# KiCad board FrontEnd_5G.kicad_pcb (continued)
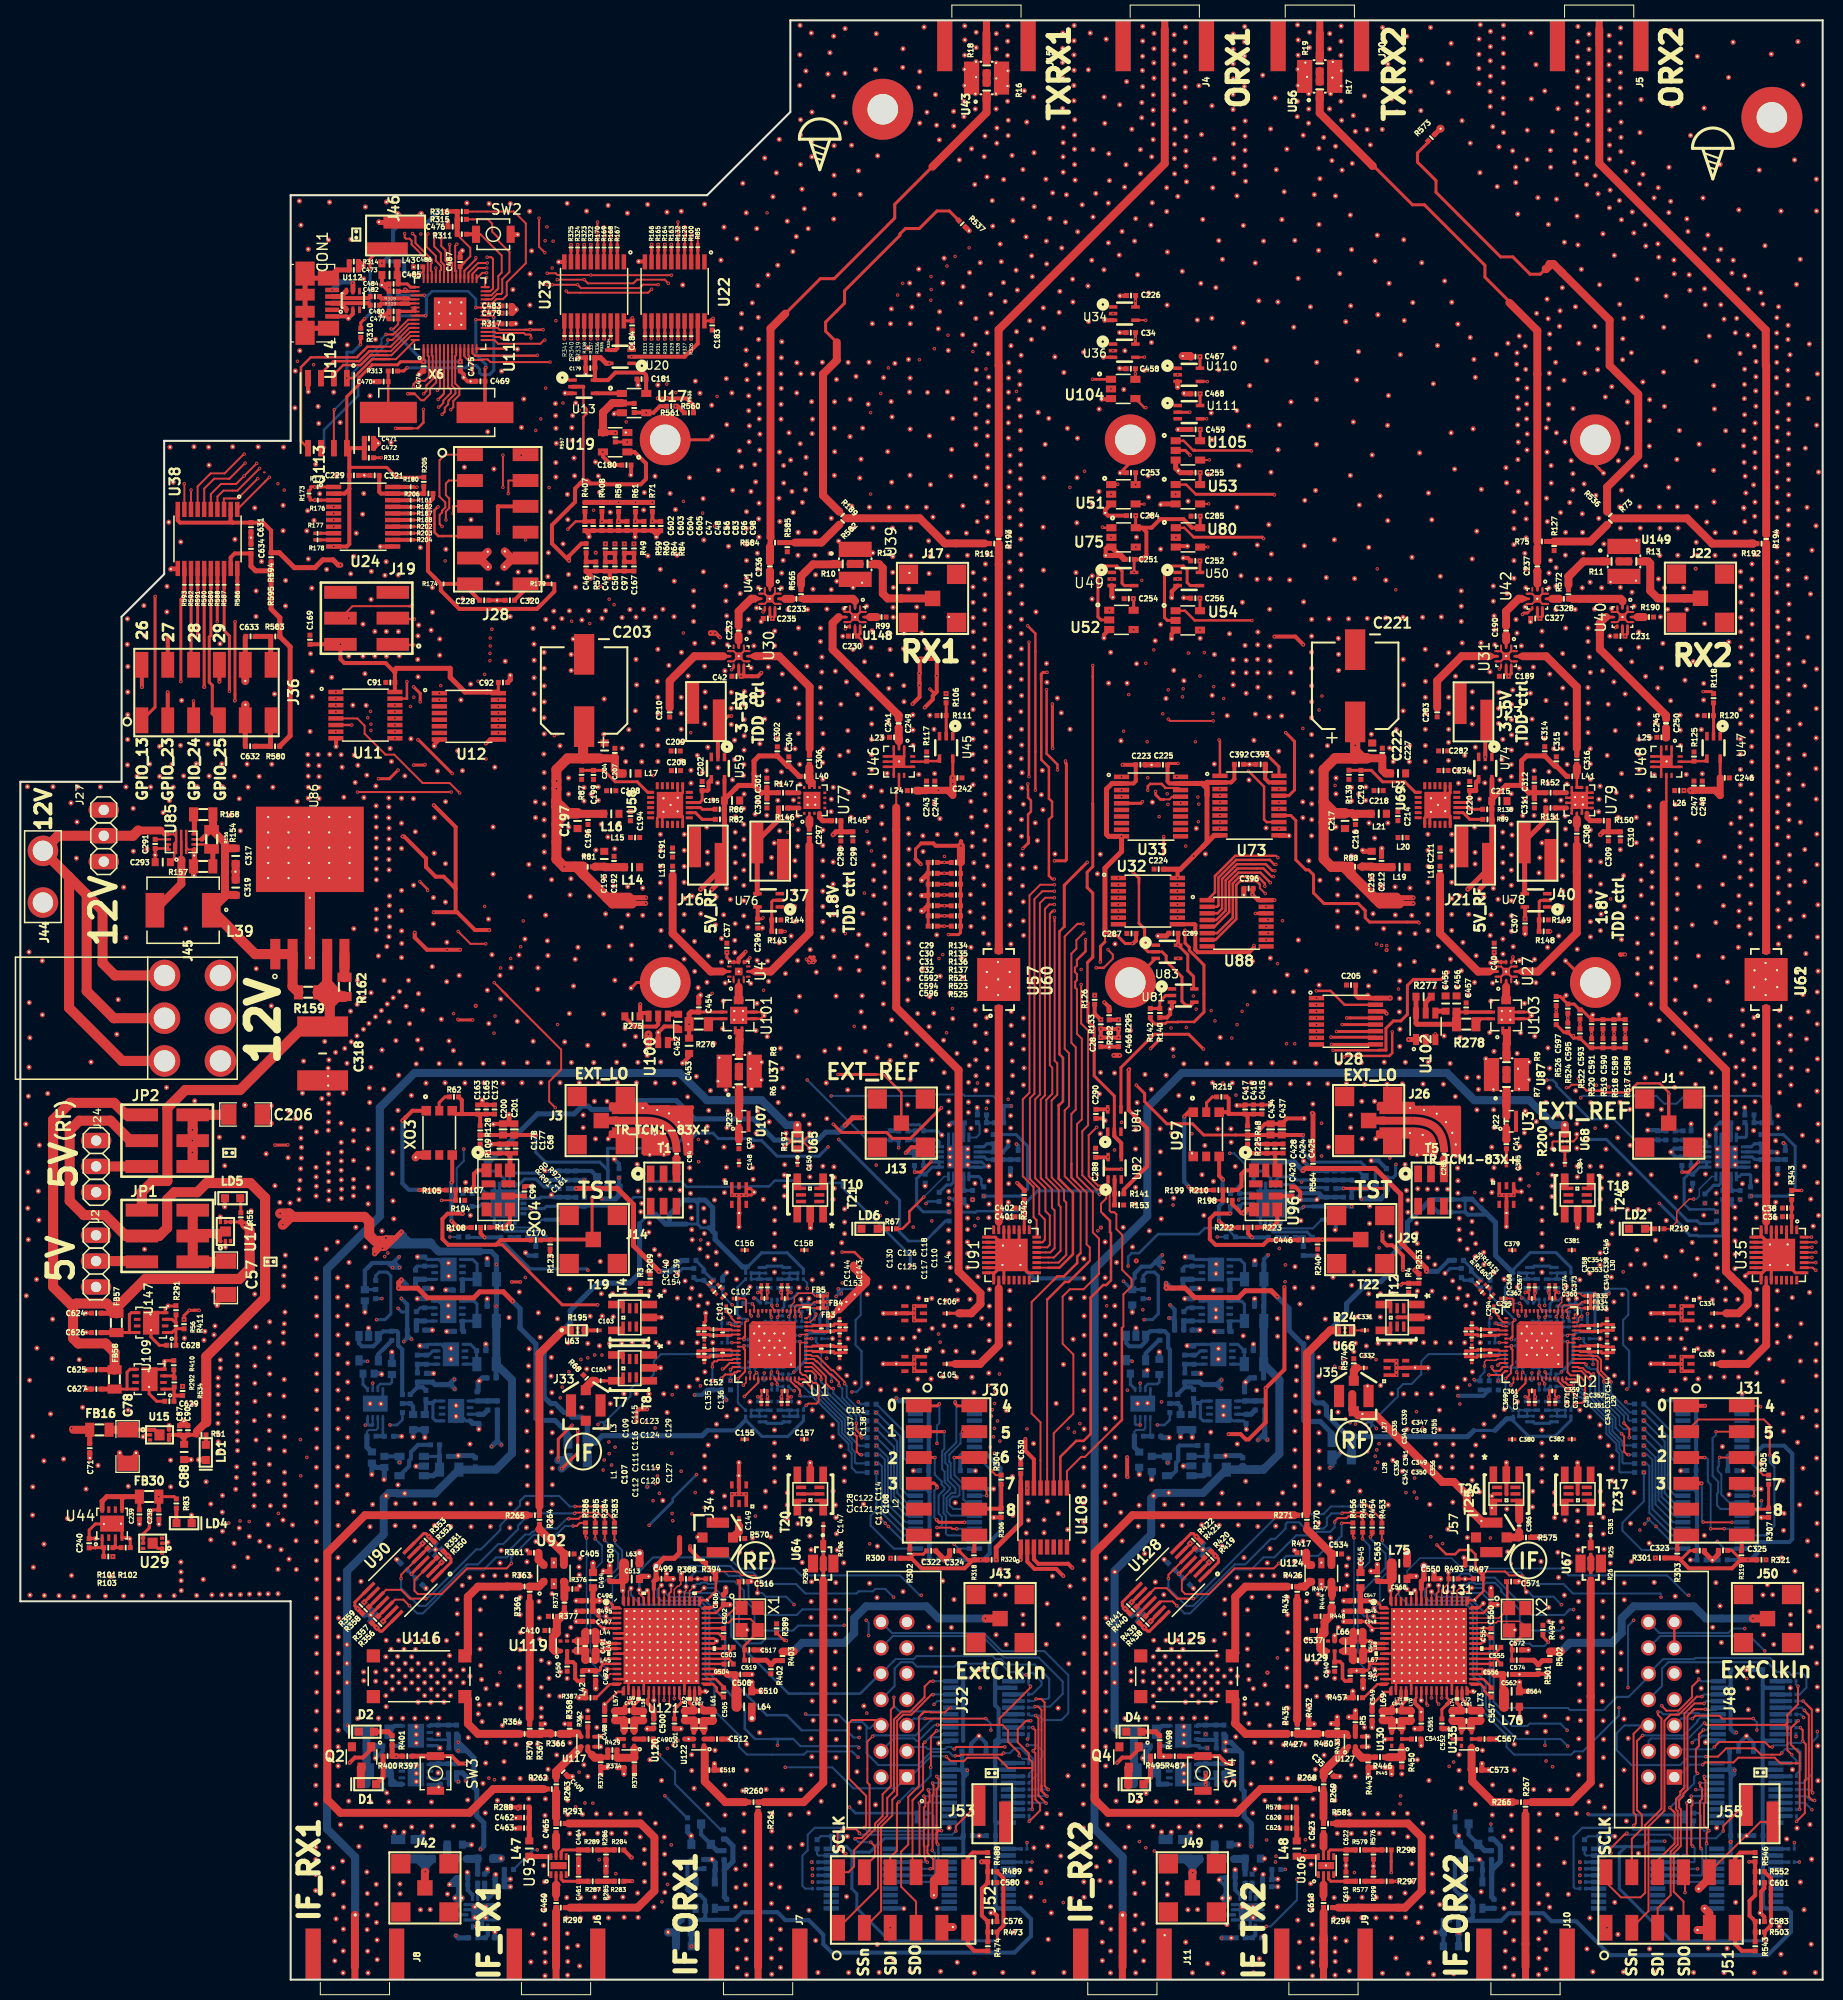
[diagram p0: board, top side]
## Nets (continued)
Net-(C427-Pad1): C427.1 R226.2
Net-(C429-Pad1): C429.1 R229.2 U98.12
Net-(C430-Pad1): C430.1 C435.2 R227.2
Net-(C430-Pad2): C430.2 U98.8
Net-(C431-Pad1): C431.1 U98.4
Net-(C433-Pad1): C433.1 C438.2 R232.1
Net-(C433-Pad2): C433.2 U98.5
Net-(C440-Pad1): C440.1 U99.18
Net-(C440-Pad2): C440.2 R226.1 R233.1
Net-(C450-Pad1): C450.1 L42.2 U119.2
Net-(C451-Pad1): C451.1 FB53.2 U141.5 U141.8
Net-(C452-Pad1): C452.1 U100.4
Net-(C453-Pad2): C453.2 C454.2 R275.2 R276.2 U100.6 U101.7
Net-(C455-Pad1): C455.1 U102.4
Net-(C456-Pad2): C456.2 C457.2 R277.2 R278.2 U102.6 U103.7
Net-(C460-Pad1): C460.1 U93.2
Net-(C461-Pad1): C461.1 R287.2 U93.3
Net-(C462-Pad2): C462.2 C463.2 L47.1 R288.2
Net-(C464-Pad2): C464.2 R289.2 U93.6
Net-(C465-Pad2): C465.2 U93.7
Net-(C470-Pad1): C470.1 R313.2 X6.2
Net-(C473-Pad1): C473.1 CON1.6 R314.1
Net-(C484-Pad2): C484.2 C485.2 L43.2 U115.43
Net-(C488-Pad1): C488.1 FB54.2 U140.5 U140.8
Net-(C489-Pad1): C489.1 FB55.2 U142.5 U142.8
Net-(C490-Pad1): C490.1 U120.2
Net-(C491-Pad1): C491.1 L44.2 U119.4
Net-(C491-Pad2): C491.2 L45.2 U119.3
Net-(C493-Pad1): C493.1 L57.2 U120.4
Net-(C493-Pad2): C493.2 L58.2 U120.3
Net-(C502-Pad1): C502.1 U121.44
Net-(C502-Pad2): C502.2 U121.43
Net-(C503-Pad1): C503.1 U121.40
Net-(C503-Pad2): C503.2 U121.39
Net-(C504-Pad1): C504.1 U121.38
Net-(C504-Pad2): C504.2 U121.37
Net-(C505-Pad1): C505.1 U121.34
Net-(C505-Pad2): C505.2 U121.33
Net-(C507-Pad1): C507.1 L61.1 U122.3
Net-(C507-Pad2): C507.2 L62.1 U122.4
Net-(C508-Pad2): C508.2 C510.2 L64.2 Ref**#87. Ref**#88. U121.35 U121.36 U121.41 U121.42
Net-(C509-Pad2): C509.2 C513.2 L63.2 Ref**#274. Ref**#275. Ref**#276. Ref**#277. U121.48 U121.55 U121.59 U121.64
Net-(C511-Pad1): C511.1 R393.2 R395.1
Net-(C511-Pad2): C511.2 C514.1 R396.1
Net-(C512-Pad2): C512.2 U122.2
Net-(C514-Pad2): C514.2 IC1.2
Net-(C515-Pad2): C515.2 IC1.3
Net-(C516-Pad1): C516.1 U121.46 X1.1
Net-(C517-Pad1): C517.1 C519.2 U121.45 X1.3
Net-(C524-Pad2): C524.2 IC1.14
Net-(C535-Pad1): C535.1 R241.1 R365.1 U141.1
Net-(C536-Pad2): C536.2 R424.2 R449.2 R452.2
Net-(C537-Pad1): C537.1 R444.1 R448.2 U129.1
Net-(C540-Pad1): C540.1 L65.2 U129.2
Net-(C541-Pad1): C541.1 U130.2
Net-(C542-Pad1): C542.1 L66.2 U129.4
Net-(C542-Pad2): C542.2 L67.2 U129.3
Net-(C544-Pad1): C544.1 L69.2 U130.4
Net-(C544-Pad2): C544.2 L70.2 U130.3
Net-(C553-Pad1): C553.1 R491.2 R492.1
Net-(C553-Pad2): C553.2 C558.1 R496.1
Net-(C554-Pad1): C554.1 U131.44
Net-(C554-Pad2): C554.2 U131.43
Net-(C555-Pad1): C555.1 U131.40
Net-(C555-Pad2): C555.2 U131.39
Net-(C556-Pad1): C556.1 U131.38
Net-(C556-Pad2): C556.2 U131.37
Net-(C557-Pad1): C557.1 U131.34
Net-(C557-Pad2): C557.2 U131.33
Net-(C558-Pad2): C558.2 IC2.2
Net-(C559-Pad2): C559.2 IC2.3
Net-(C561-Pad1): C561.1 L73.1 U135.3
Net-(C561-Pad2): C561.2 L74.1 U135.4
Net-(C562-Pad2): C562.2 C564.2 L76.2 Ref**#461. Ref**#462. U131.35 U131.36 U131.41 U131.42
Net-(C563-Pad2): C563.2 C568.2 L75.2 Ref**#315. Ref**#316. Ref**#320. Ref**#330. U131.48 U131.55 U131.59 U131.64
Net-(C567-Pad2): C567.2 U135.2
Net-(C571-Pad1): C571.1 U131.46 X2.1
Net-(C572-Pad1): C572.1 C574.2 U131.45 X2.3
Net-(C582-Pad2): C582.2 IC2.14
Net-(C606-Pad1): C606.1 R243.1 R404.1 U140.1
Net-(C607-Pad1): C607.1 R254.1 R409.1 U142.1
Net-(C608-Pad1): C608.1 R412.1 R562.1 R563.1
Net-(C610-Pad2): C610.2 R559.1 U144.6
Net-(C611-Pad1): C611.1 R556.1 U143.5 U143.8
Net-(C612-Pad1): C612.1 FB56.2 R20.2 U145.1 U145.3
Net-(C613-Pad1): C613.1 U144.1
Net-(C615-Pad1): C615.1 R566.1 R571.1 U143.1
Net-(C616-Pad2): C616.2 U144.3
Net-(C618-Pad1): C618.1 U106.2
Net-(C619-Pad1): C619.1 R577.2 U106.3
Net-(C620-Pad2): C620.2 C621.2 L48.1 R578.2
Net-(C622-Pad2): C622.2 R579.2 U106.6
Net-(C623-Pad2): C623.2 U106.7
Net-(C626-Pad1): C626.1 FB57.2 U147.5 U147.8
Net-(C627-Pad1): C627.1 FB58.2 U109.5 U109.8
Net-(C628-Pad1): C628.1 R56.1 R411.1 U147.1
Net-(C629-Pad1): C629.1 R292.1 R534.1 U109.1
Net-(C632-Pad1): C632.1 J36.6 R580.1
Net-(C633-Pad1): C633.1 J36.12 R583.2
Net-(C634-Pad1): C634.1 R594.2 R595.2 U38.19
Net-(CON1-Pad2): CON1.2 R308.1 U112.6
Net-(CON1-Pad3): CON1.3 R309.1 U112.1
Net-(CON1-Pad4): CON1.4
Net-(D1-Pad1): D1.1 R400.1
Net-(D1-Pad2): D1.2 Q2.3
Net-(D2-Pad1): D2.1 R401.1
Net-(D3-Pad1): D3.1 R495.1
Net-(D3-Pad2): D3.2 Q4.3
Net-(D4-Pad1): D4.1 R498.1
Net-(IC1-Pad9): IC1.9 R398.1 R399.2
Net-(IC2-Pad9): IC2.9 R499.1 R500.2
Net-(J2-Pad2): J2.2 JP1.5
Net-(J4-Pad1): J4.1 R193.1
Net-(J5-Pad1): J5.1 R194.1
Net-(J7-Pad1): J7.1 R261.1
Net-(J10-Pad1): J10.1 R267.1
Net-(J15-Pad1): J15.1 R18.1 U43.3
Net-(J17-Pad1): J17.1 R12.1 U148.3
Net-(J20-Pad1): J20.1 R19.1 U56.3
Net-(J22-Pad1): J22.1 R13.1 U149.3
Net-(J24-Pad2): J24.2 JP2.5
Net-(J30-Pad6): J30.6 R302.1
Net-(J30-Pad11): J30.11 R304.1 R306.1
Net-(J30-Pad12): J30.12 R318.1
Net-(J31-Pad6): J31.6 R303.1
Net-(J31-Pad11): J31.11 R305.1 R307.1
Net-(J31-Pad12): J31.12 R319.1
Net-(J32-Pad2): J32.2
Net-(J37-Pad1): J37.1 R146.2 U76.4
Net-(J40-Pad1): J40.1 R151.2 U78.4
Net-(J42-Pad1): J42.1 R390.1 R392.1 R393.1
Net-(J43-Pad1): J43.1 R403.1
Net-(J48-Pad2): J48.2
Net-(J49-Pad1): J49.1 R458.1 R472.1 R491.1
Net-(J50-Pad1): J50.1 R502.1
Net-(J51-Pad6): J51.6 R543.1
Net-(J51-Pad12): J51.12 R546.2
Net-(J52-Pad6): J52.6 R474.1
Net-(J52-Pad12): J52.12 R488.2
Net-(J53-Pad1): J53.1 R490.1 U133.19
Net-(J55-Pad1): J55.1 R553.1 U139.19
Net-(L14-Pad2): L14.2 L15.1 U58.24
Net-(L19-Pad2): L19.2 L20.1 U69.24
Net-(L24-Pad2): L24.2 U46.9
Net-(L26-Pad2): L26.2 U48.9
Net-(L39-Pad2): L39.2 U85.2
Net-(L44-Pad1): L44.1 L46.1 U121.8
Net-(L45-Pad1): L45.1 L46.2 U121.9
Net-(L47-Pad2): L47.2 U93.8
Net-(L48-Pad2): L48.2 U106.8
Net-(L57-Pad1): L57.1 L59.1 U121.19
Net-(L58-Pad1): L58.1 L59.2 U121.20
Net-(L60-Pad1): L60.1 L61.2 U121.31
Net-(L60-Pad2): L60.2 L62.2 U121.30
Net-(L66-Pad1): L66.1 L68.1 U131.8
Net-(L67-Pad1): L67.1 L68.2 U131.9
Net-(L69-Pad1): L69.1 L71.1 U131.19
Net-(L70-Pad1): L70.1 L71.2 U131.20
Net-(L72-Pad1): L72.1 L73.2 U131.31
Net-(L72-Pad2): L72.2 L74.2 U131.30
Net-(LD1-Pad1): LD1.1 R51.2
Net-(LD2-Pad1): LD2.1 R219.2
Net-(LD4-Pad1): LD4.1 R83.2
Net-(LD5-Pad1): LD5.1 R55.2
Net-(LD6-Pad1): LD6.1 R67.2
Net-(Q1-Pad1): Q1.1 Q1.3 R380.1
Net-(Q3-Pad1): Q3.1 Q3.3 R449.1
Net-(R2-Pad1): R2.1 U1.54
Net-(R5-Pad2): R5.2 U127.5
Net-(R6-Pad1): R6.1 R8.2
Net-(R7-Pad1): R7.1 R9.2
Net-(R10-Pad1): R10.1 R12.2
Net-(R10-Pad2): R10.2 R565.1 U148.1
Net-(R11-Pad1): R11.1 R13.2
Net-(R11-Pad2): R11.2 R572.1 U149.1
Net-(R14-Pad1): R14.1 U16.4
Net-(R15-Pad1): R15.1 U9.4
Net-(R15-Pad2): R15.2 R38.2 U9.1 U9.3
Net-(R16-Pad1): R16.1 R18.2
Net-(R17-Pad1): R17.1 R19.2
Net-(R20-Pad1): R20.1 U145.4
Net-(R21-Pad1): R21.1 U146.4
Net-(R21-Pad2): R21.2 R563.2 U146.1 U146.3
Net-(R22-Pad2): R7.2 R22.2 U3.2 U87.1
Net-(R23-Pad2): R6.2 R23.2 U37.1 U107.2
Net-(R25-Pad1): R25.1 R26.2
Net-(R27-Pad2): R27.2 R28.1 U95.3
Net-(R29-Pad2): R29.2 R30.1 U8.3
Net-(R31-Pad2): R31.2 R32.1 U7.3
Net-(R33-Pad2): R33.2 R34.1 U5.3
Net-(R35-Pad2): R35.2 R36.1 U6.3
Net-(R37-Pad2): R37.2 U10.7 U10.8
Net-(R39-Pad2): R39.2 U10.2
Net-(R40-Pad2): R40.2 U9.5
Net-(R41-Pad1): R41.1 R45.2 U10.5
Net-(R43-Pad2): R43.2 R44.1 U94.3
Net-(R62-Pad2): R62.2 XO3.6
Net-(R67-Pad1): R67.1 U18.15
Net-(R69-Pad2): R69.2 U18.11
Net-(R70-Pad2): R70.2 U18.19
Net-(R77-Pad1): R77.1 U18.13
Net-(R78-Pad1): R78.1 U18.14
Net-(R82-Pad1): R82.1 U58.8
Net-(R85-Pad1): R85.1 U22.2
Net-(R86-Pad1): R86.1 U58.9
Net-(R89-Pad1): R89.1 U69.8
Net-(R99-Pad2): R99.2 U39.11
Net-(R100-Pad1): R100.1 U22.3
Net-(R101-Pad2): R101.2 R102.2 U44.3
Net-(R105-Pad2): R105.2 XO3.1
Net-(R106-Pad2): R106.2 R111.2 U45.2
Net-(R107-Pad2): R107.2 XO4.1
Net-(R108-Pad1): R108.1 XO3.4
Net-(R110-Pad1): R110.1 XO4.6
Net-(R114-Pad1): R114.1 U21.17
Net-(R117-Pad1): R117.1 U46.12
Net-(R117-Pad2): R117.2 U45.4 U46.11
Net-(R118-Pad2): R118.2 R120.2 U47.2
Net-(R119-Pad1): R119.1 U21.3
Net-(R121-Pad2): R121.2 U21.5
Net-(R122-Pad2): R122.2 U21.10
Net-(R125-Pad1): R125.1 U48.12
Net-(R125-Pad2): R125.2 U47.4 U48.11
Net-(R127-Pad2): R73.2 R75.1 R127.2
Net-(R129-Pad1): R129.1 U22.4
Net-(R131-Pad1): R131.1 U2.54
Net-(R132-Pad1): R132.1 U22.5
Net-(R138-Pad1): R138.1 U69.9
Net-(R140-Pad2): R140.2 R142.2 U81.2
Net-(R141-Pad2): R141.2 R153.2 U82.2
Net-(R143-Pad1): R143.1 R144.2 U76.2
Net-(R145-Pad2): R145.2 U77.4
Net-(R146-Pad1): R146.1 U77.16
Net-(R147-Pad1): R147.1 U77.13
Net-(R148-Pad1): R148.1 R149.2 U78.2
Net-(R150-Pad2): R150.2 U79.4
Net-(R151-Pad1): R151.1 U79.16
Net-(R152-Pad1): R152.1 U79.13
Net-(R154-Pad1): R154.1 R156.1 R157.2 U85.5
Net-(R158-Pad1): R158.1 U85.7
Net-(R162-Pad1): R162.1 U86.5
Net-(R163-Pad1): R163.1 U22.6
Net-(R164-Pad1): R164.1 U22.7
Net-(R165-Pad1): R165.1 U22.8
Net-(R166-Pad1): R166.1 U22.9
Net-(R167-Pad1): R167.1 U23.2
Net-(R168-Pad1): R168.1 U23.3
Net-(R169-Pad1): R169.1 U23.4
Net-(R170-Pad1): R170.1 U23.5
Net-(R175-Pad2): R175.2 U24.1
Net-(R176-Pad2): R176.2 U24.3
Net-(R177-Pad2): R177.2 U24.8
Net-(R178-Pad2): R178.2 U24.9
Net-(R180-Pad1): R180.1 U24.20
Net-(R181-Pad1): R181.1 U24.18
Net-(R182-Pad1): R182.1 U24.17
Net-(R187-Pad1): R187.1 U24.16
Net-(R188-Pad1): R188.1 U24.15
Net-(R189-Pad2): R189.2 R537.2
Net-(R190-Pad2): R190.2 U40.11
Net-(R191-Pad1): R191.1 R193.2 U57.2 U60.2
Net-(R192-Pad1): R192.1 R194.2 U61.2 U62.2
Net-(R196-Pad1): R196.1 R296.2
Net-(R199-Pad2): R199.2 U97.1
Net-(R202-Pad1): R202.1 U24.14
Net-(R203-Pad1): R203.1 U24.13
Net-(R204-Pad1): R204.1 U24.12
Net-(R210-Pad2): R210.2 U96.1
Net-(R215-Pad2): R215.2 U97.6
Net-(R219-Pad1): R219.1 U98.15
Net-(R220-Pad2): R220.2 U98.11
Net-(R221-Pad2): R221.2 U98.19
Net-(R222-Pad1): R222.1 U97.4
Net-(R223-Pad1): R223.1 U96.6
Net-(R230-Pad2): R230.2 U98.13
Net-(R231-Pad2): R231.2 U98.14
Net-(R234-Pad1): R234.1 U99.17
Net-(R237-Pad1): R237.1 U99.3
Net-(R238-Pad2): R238.2 U99.5
Net-(R239-Pad2): R239.2 U99.10
Net-(R241-Pad2): R241.2 R242.1 U141.3
Net-(R243-Pad2): R243.2 R246.1 U140.3
Net-(R254-Pad2): R254.2 R259.1 U142.3
Net-(R262-Pad2): R262.2 R265.2
Net-(R268-Pad2): R268.2 R271.2
Net-(R275-Pad1): R275.1 U100.5
Net-(R276-Pad1): R276.1 U101.8
Net-(R277-Pad1): R277.1 U102.5
Net-(R278-Pad1): R278.1 U103.8
Net-(R283-Pad1): R283.1 R285.1 R287.1
Net-(R284-Pad1): R284.1 R286.1 R289.1
Net-(R290-Pad2): R290.2 R293.2
Net-(R291-Pad1): R56.2 R291.1 U147.3
Net-(R292-Pad2): R292.2 R410.1 U109.3
Net-(R294-Pad2): R294.2 R581.2
Net-(R297-Pad1): R297.1 R299.1 R577.1
Net-(R298-Pad1): R298.1 R576.1 R579.1
Net-(R317-Pad2): R317.2 U115.19
Net-(R322-Pad1): R322.1 U23.6
Net-(R323-Pad1): R323.1 U23.7
Net-(R324-Pad1): R324.1 U23.8
Net-(R325-Pad1): R325.1 U23.9
Net-(R326-Pad2): R326.2 U22.18
Net-(R327-Pad2): R327.2 U22.17
Net-(R328-Pad2): R328.2 U22.16
Net-(R329-Pad2): R329.2 U22.15
Net-(R330-Pad2): R330.2 U22.14
Net-(R331-Pad2): R331.2 U22.13
Net-(R332-Pad2): R332.2 U22.12
Net-(R333-Pad2): R333.2 U22.11
Net-(R334-Pad2): R334.2 U23.18
Net-(R335-Pad2): R335.2 U23.17
Net-(R336-Pad2): R336.2 U23.16
Net-(R337-Pad2): R337.2 U23.15
Net-(R338-Pad2): R338.2 U23.14
Net-(R339-Pad2): R339.2 U23.13
Net-(R340-Pad2): R340.2 U23.12
Net-(R341-Pad2): R341.2 U23.11
Net-(R344-Pad1): R72.2 R344.1 U89.3
Net-(R345-Pad2): R345.2 R346.1 U26.3
Net-(R349-Pad1): R349.1 R350.1 U90.2
Net-(R353-Pad1): R353.1 R354.1 U90.6
Net-(R355-Pad1): R355.1 R356.1 U90.13
Net-(R359-Pad1): R359.1 R360.1 U90.9
Net-(R361-Pad2): R361.2 U92.6
Net-(R362-Pad2): R362.2 U117.5
Net-(R363-Pad1): R363.1 U116.2
Net-(R363-Pad2): R363.2 R369.1 U92.1
Net-(R364-Pad1): R364.1 U116.1
Net-(R364-Pad2): R364.2 R366.2 R367.2 R370.1
Net-(R366-Pad1): R366.1 R368.2 U117.6
Net-(R369-Pad2): R369.2 R370.2
Net-(R371-Pad1): R371.1 U118.1
Net-(R372-Pad2): R372.2 R374.1 R429.2 U117.2
Net-(R373-Pad2): R373.2 R376.2 U92.3
Net-(R374-Pad2): R374.2 R378.2 R429.1 U120.1
Net-(R375-Pad1): R375.1 R379.2 U118.4
Net-(R383-Pad1): R383.1 Ref**#284. U121.2
Net-(R384-Pad1): R384.1 Ref**#283. U121.3
Net-(R385-Pad1): R385.1 Ref**#282. U121.13
Net-(R386-Pad1): R386.1 Ref**#281. U121.14
Net-(R387-Pad2): R387.2 U121.16
Net-(R405-Pad1): R405.1 U123.1
Net-(R406-Pad1): R406.1 U123.3
Net-(R413-Pad1): R413.1 U133.6
Net-(R416-Pad1): R416.1 U133.14
Net-(R417-Pad2): R417.2 U124.6
Net-(R418-Pad1): R418.1 R419.1 U128.2
Net-(R422-Pad1): R422.1 R423.1 U128.6
Net-(R424-Pad1): R424.1 U126.1
Net-(R426-Pad1): R426.1 U125.2
Net-(R426-Pad2): R426.2 R434.1 U124.1
Net-(R427-Pad1): R427.1 U125.1
Net-(R427-Pad2): R427.2 R430.2 R432.2 R435.1
Net-(R430-Pad1): R430.1 R433.2 U127.6
Net-(R431-Pad1): R431.1 R436.2 U126.4
Net-(R434-Pad2): R434.2 R435.2
Net-(R437-Pad1): R437.1 R438.1 U128.13
Net-(R441-Pad1): R441.1 R442.1 U128.9
Net-(R443-Pad2): R443.2 R445.2 R446.1 U127.2
Net-(R444-Pad2): R444.2 R447.2 U124.3
Net-(R445-Pad1): R445.1 R446.2 R450.2 U130.1
Net-(R453-Pad1): R453.1 Ref**#348. U131.2
Net-(R454-Pad1): R454.1 Ref**#349. U131.3
Net-(R455-Pad1): R455.1 Ref**#459. U131.13
Net-(R456-Pad1): R456.1 Ref**#460. U131.14
Net-(R457-Pad2): R457.2 U131.16
Net-(R460-Pad1): R460.1 U132.1
Net-(R461-Pad1): R461.1 U132.3
Net-(R462-Pad1): R462.1 U132.4
Net-(R463-Pad1): R463.1 U132.5
Net-(R464-Pad1): R464.1 U132.6
Net-(R465-Pad1): R465.1 U132.7
Net-(R466-Pad1): R466.1 U132.8
Net-(R467-Pad1): R467.1 U132.9
Net-(R468-Pad1): R468.1 U133.2
Net-(R469-Pad1): R469.1 U133.3
Net-(R470-Pad1): R470.1 U133.4
Net-(R471-Pad1): R471.1 U133.5
Net-(R475-Pad1): R475.1 U134.1
Net-(R476-Pad1): R476.1 U134.3
Net-(R477-Pad1): R477.1 U134.4
Net-(R478-Pad1): R478.1 U134.5
Net-(R479-Pad1): R479.1 U134.6
Net-(R480-Pad1): R480.1 U134.7
Net-(R481-Pad1): R481.1 U134.8
Net-(R482-Pad1): R482.1 U134.9
Net-(R483-Pad1): R483.1 U133.18
Net-(R484-Pad1): R484.1 U133.17
Net-(R485-Pad1): R485.1 U133.16
Net-(R486-Pad1): R486.1 U133.15
Net-(R504-Pad1): R504.1 U136.1
Net-(R505-Pad1): R505.1 U136.3
Net-(R506-Pad1): R506.1 U136.4
Net-(R507-Pad1): R507.1 U136.5
Net-(R508-Pad1): R508.1 U136.6
Net-(R509-Pad1): R509.1 U136.7
Net-(R510-Pad1): R510.1 U136.8
Net-(R511-Pad1): R511.1 U136.9
Net-(R512-Pad1): R512.1 U137.1
Net-(R513-Pad1): R513.1 U137.3
Net-(R514-Pad1): R514.1 U137.4
Net-(R515-Pad1): R515.1 U137.5
Net-(R516-Pad1): R516.1 U137.6
Net-(R527-Pad1): R527.1 U137.7
Net-(R528-Pad1): R528.1 U137.8
Net-(R529-Pad1): R529.1 U137.9
Net-(R530-Pad1): R530.1 U138.1
Net-(R531-Pad1): R531.1 U138.3
Net-(R536-Pad2): R536.2 R573.2
Net-(R538-Pad1): R538.1 U139.2
Net-(R539-Pad1): R539.1 U139.3
Net-(R540-Pad1): R540.1 U139.4
Net-(R541-Pad1): R541.1 U139.5
Net-(R542-Pad1): R542.1 U139.6
Net-(R547-Pad1): R547.1 U139.18
Net-(R548-Pad1): R548.1 U139.17
Net-(R549-Pad1): R549.1 U139.16
Net-(R550-Pad1): R550.1 U139.15
Net-(R551-Pad1): R551.1 U139.14
Net-(R554-Pad1): R554.1 R564.2
Net-(R554-Pad2): R554.2 U21.8
Net-(R555-Pad2): R555.2 U99.8
Net-(R558-Pad1): R558.1 R559.2 U144.5
Net-(R562-Pad2): R562.2 U144.7 U144.8
Net-(R566-Pad2): R566.2 R567.1 U143.3
Net-(R568-Pad2): R568.2 U144.2
Net-(R569-Pad2): R569.2 U146.5
Net-(R582-Pad2): R582.2 R584.1 R585.2
Net-(R586-Pad1): R586.1 U38.20
Net-(R587-Pad1): R587.1 U38.18
Net-(R588-Pad1): R588.1 U38.17
Net-(R589-Pad1): R589.1 U38.16
Net-(R590-Pad1): R590.1 U38.15
Net-(R591-Pad1): R591.1 U38.14
Net-(R592-Pad1): R592.1 U38.13
Net-(R593-Pad1): R593.1 U38.12
Net-(U1-Pad1): U1.1
Net-(U2-Pad1): U2.1
Net-(U5-Pad2): U5.2
Net-(U5-Pad6): U5.6
Net-(U5-Pad7): U5.7
Net-(U6-Pad2): U6.2
Net-(U6-Pad6): U6.6
Net-(U6-Pad7): U6.7
Net-(U7-Pad2): U7.2
Net-(U7-Pad6): U7.6
Net-(U7-Pad7): U7.7
Net-(U8-Pad2): U8.2
Net-(U8-Pad6): U8.6
Net-(U8-Pad7): U8.7
Net-(U11-Pad9): U11.9 U12.14
Net-(U12-Pad3): U12.3
Net-(U12-Pad4): U12.4
Net-(U12-Pad5): U12.5
Net-(U12-Pad6): U12.6
Net-(U12-Pad7): U12.7
Net-(U13-Pad1): U13.1
Net-(U13-Pad4): U13.4 U17.1
Net-(U14-Pad3): U14.3
Net-(U15-Pad3): U15.3
Net-(U20-Pad1): U20.1
Net-(U21-Pad13): U21.13
Net-(U21-Pad15): U21.15
Net-(U21-Pad16): U21.16
Net-(U21-Pad19): U21.19
Net-(U22-Pad1): U22.1
Net-(U23-Pad1): U23.1
Net-(U26-Pad2): U26.2
Net-(U26-Pad6): U26.6
Net-(U26-Pad7): U26.7
Net-(U28-Pad9): U28.9 U32.14
Net-(U29-Pad3): U29.3
Net-(U32-Pad9): U32.9 U88.14
Net-(U33-Pad6): U33.6
Net-(U33-Pad7): U33.7
Net-(U33-Pad8): U33.8
Net-(U33-Pad9): U33.9
Net-(U33-Pad12): U33.12
Net-(U33-Pad13): U33.13
Net-(U33-Pad14): U33.14
Net-(U33-Pad15): U33.15
Net-(U34-Pad1): U34.1
Net-(U35-Pad1): U35.1
Net-(U35-Pad4): U35.4
Net-(U35-Pad7): U35.7 U61.1 U62.1
Net-(U35-Pad20): U35.20
Net-(U35-Pad21): U35.21
Net-(U35-Pad22): U35.22
Net-(U35-Pad23): U35.23
Net-(U35-Pad24): U35.24
Net-(U36-Pad1): U36.1
Net-(U44-Pad2): U44.2
Net-(U44-Pad6): U44.6
Net-(U44-Pad7): U44.7
Net-(U45-Pad1): U45.1
Net-(U47-Pad1): U47.1
Net-(U49-Pad1): U49.1
Net-(U49-Pad4): U49.4 U52.2
Net-(U50-Pad1): U50.1
Net-(U50-Pad4): U50.4 U54.2
Net-(U57-Pad1): U57.1 U60.1 U91.7
Net-(U58-Pad3): U58.3
Net-(U58-Pad5): U58.5
Net-(U58-Pad7): U58.7
Net-(U58-Pad11): U58.11
Net-(U58-Pad12): U58.12
Net-(U58-Pad18): U58.18
Net-(U58-Pad21): U58.21
Net-(U58-Pad23): U58.23
Net-(U59-Pad1): U59.1
Net-(U69-Pad3): U69.3
Net-(U69-Pad5): U69.5
Net-(U69-Pad7): U69.7
Net-(U69-Pad11): U69.11
Net-(U69-Pad12): U69.12
Net-(U69-Pad18): U69.18
Net-(U69-Pad21): U69.21
Net-(U69-Pad23): U69.23
Net-(U70-Pad3): U70.3
Net-(U70-Pad4): U70.4
Net-(U70-Pad5): U70.5
Net-(U70-Pad6): U70.6
Net-(U70-Pad7): U70.7
Net-(U70-Pad8): U70.8
Net-(U70-Pad9): U70.9
Net-(U70-Pad12): U70.12
Net-(U70-Pad13): U70.13
Net-(U70-Pad14): U70.14
Net-(U70-Pad15): U70.15
Net-(U70-Pad16): U70.16
Net-(U70-Pad17): U70.17
Net-(U70-Pad18): U70.18
Net-(U72-Pad3): U72.3
Net-(U72-Pad4): U72.4
Net-(U72-Pad5): U72.5
Net-(U72-Pad6): U72.6
Net-(U72-Pad7): U72.7
Net-(U72-Pad8): U72.8
Net-(U72-Pad9): U72.9
Net-(U72-Pad12): U72.12
Net-(U72-Pad13): U72.13
Net-(U72-Pad14): U72.14
Net-(U72-Pad15): U72.15
Net-(U72-Pad16): U72.16
Net-(U72-Pad17): U72.17
Net-(U72-Pad18): U72.18
Net-(U74-Pad1): U74.1
Net-(U76-Pad1): U76.1
Net-(U78-Pad1): U78.1
Net-(U81-Pad1): U81.1
Net-(U82-Pad1): U82.1
Net-(U83-Pad1): U83.1
Net-(U84-Pad1): U84.1
Net-(U89-Pad2): U89.2
Net-(U89-Pad6): U89.6
Net-(U89-Pad7): U89.7
Net-(U91-Pad1): U91.1
Net-(U91-Pad4): U91.4
Net-(U91-Pad20): U91.20
Net-(U91-Pad21): U91.21
Net-(U91-Pad22): U91.22
Net-(U91-Pad23): U91.23
Net-(U91-Pad24): U91.24
Net-(U93-Pad4): U93.4
Net-(U93-Pad5): U93.5
Net-(U94-Pad2): U94.2
Net-(U94-Pad6): U94.6
Net-(U94-Pad7): U94.7
Net-(U95-Pad2): U95.2
Net-(U95-Pad6): U95.6
Net-(U95-Pad7): U95.7
Net-(U96-Pad2): U96.2
Net-(U96-Pad3): U96.3
Net-(U96-Pad5): U96.5
Net-(U96-Pad8): U96.8
Net-(U96-Pad10): U96.10
Net-(U97-Pad3): U97.3
Net-(U99-Pad13): U99.13
Net-(U99-Pad15): U99.15
Net-(U99-Pad16): U99.16
Net-(U99-Pad19): U99.19
Net-(U106-Pad4): U106.4
Net-(U106-Pad5): U106.5
Net-(U108-Pad4): U108.4
Net-(U108-Pad5): U108.5
Net-(U108-Pad6): U108.6
Net-(U108-Pad7): U108.7
Net-(U109-Pad2): U109.2
Net-(U109-Pad6): U109.6
Net-(U109-Pad7): U109.7
Net-(U110-Pad1): U110.1
Net-(U111-Pad1): U111.1
Net-(U112-Pad3): U112.3
Net-(U112-Pad4): U112.4
Net-(U116-Pad3): U116.3
Net-(U116-Pad4): U116.4
Net-(U118-Pad3): U118.3
Net-(U119-Pad6): U119.6
Net-(U120-Pad6): U120.6
Net-(U121-Pad61): U121.61
Net-(U121-Pad62): U121.62
Net-(U122-Pad6): U122.6
Net-(U123-Pad4): U123.4
Net-(U123-Pad5): U123.5
Net-(U123-Pad6): U123.6
Net-(U123-Pad7): U123.7
Net-(U123-Pad8): U123.8
Net-(U123-Pad9): U123.9
Net-(U123-Pad12): U123.12
Net-(U123-Pad13): U123.13
Net-(U123-Pad14): U123.14
Net-(U123-Pad15): U123.15
Net-(U123-Pad16): U123.16
Net-(U123-Pad17): U123.17
Net-(U125-Pad3): U125.3
Net-(U125-Pad4): U125.4
Net-(U126-Pad3): U126.3
Net-(U129-Pad6): U129.6
Net-(U130-Pad6): U130.6
Net-(U131-Pad61): U131.61
Net-(U131-Pad62): U131.62
Net-(U133-Pad1): U133.1
Net-(U133-Pad7): U133.7
Net-(U133-Pad8): U133.8
Net-(U133-Pad9): U133.9
Net-(U133-Pad11): U133.11
Net-(U133-Pad12): U133.12
Net-(U133-Pad13): U133.13
Net-(U135-Pad6): U135.6
Net-(U138-Pad4): U138.4
Net-(U138-Pad5): U138.5
Net-(U138-Pad6): U138.6
Net-(U138-Pad7): U138.7
Net-(U138-Pad8): U138.8
Net-(U138-Pad9): U138.9
Net-(U138-Pad12): U138.12
Net-(U138-Pad13): U138.13
Net-(U138-Pad14): U138.14
Net-(U138-Pad15): U138.15
Net-(U138-Pad16): U138.16
Net-(U138-Pad17): U138.17
Net-(U139-Pad1): U139.1
Net-(U139-Pad7): U139.7
Net-(U139-Pad8): U139.8
Net-(U139-Pad9): U139.9
Net-(U139-Pad11): U139.11
Net-(U139-Pad12): U139.12
Net-(U139-Pad13): U139.13
Net-(U140-Pad2): U140.2
Net-(U140-Pad6): U140.6
Net-(U140-Pad7): U140.7
Net-(U141-Pad2): U141.2
Net-(U141-Pad6): U141.6
Net-(U141-Pad7): U141.7
Net-(U142-Pad2): U142.2
Net-(U142-Pad6): U142.6
Net-(U142-Pad7): U142.7
Net-(U143-Pad2): U143.2
Net-(U143-Pad6): U143.6
Net-(U143-Pad7): U143.7
Net-(U147-Pad2): U147.2
Net-(U147-Pad6): U147.6
Net-(U147-Pad7): U147.7
Net-(XO3-Pad3): XO3.3
Net-(XO4-Pad2): XO4.2
Net-(XO4-Pad3): XO4.3
Net-(XO4-Pad5): XO4.5
Net-(XO4-Pad8): XO4.8
Net-(XO4-Pad10): XO4.10

## Via types
v1: diameter 0.35, hole 0.15, F.RO to B.FR4, 644 vias
v2: diameter 0.35, hole 0.15, F.RO to B2.RO, 893 vias
v3: diameter 0.35, hole 0.2, F.RO to B.FR4, 1 via

## Routing (per net, layer and track width the routed paths; a pad name or vN(x,y) marks a point on that pad's centre or on a via; arc(x,y) is an arc through that point)
+1.8V: length 395
  F.RO w0.2: 106.62,103.17 106.62,102.01
  F.RO w0.25: v1(73.01,104.37) 72.9,104.26 C296.2 ; 46.01,103.17 46.09,103.09
  F.RO w0.3: 147.92,105.42 U78.5 ; 41.96,101.23 v1(41.95,101.22) ; 106.62,103.14 107.15,102.61 107.84,102.61 108.61,101.84 109.31,101.84 ; 106.62,102.01 106.18,101.57 106.18,100.05 v1(106.16,100.03) ; v1(107.49,90.85) 107.5,90.86 108.11,90.86 ; v1(113.81,101.68) 114.76,100.73 114.76,99.17 115.33,98.6 115.33,97.45 U81.5 ; 108.11,90.85 108.11,90.86 ; 108.11,90.85 108.11,90.86 ; 108.11,90.85 v1(108.07,90.85) ; 109.34,101.84 109.44,101.84 109.67,102.07 ; 109.34,101.84 v1(109.32,101.84) ; 109.34,101.84 109.31,101.84 ; 109.31,101.84 109.67,102.2 C287.2
  F.RO w0.4: U33.2 109.43,117.58 109.65,117.8 C223.1 v1(108.35,119.41) ; v1(106.92,80.85) 106.89,80.82 C288.2 ; C296.2 72.48,105.42 U76.5 ; v1(38.77,102.91) 38.77,102.43 39.97,101.23 v1(43.23,101.23) ; 46.01,103.17 45.96,103.17 ; 45.96,103.17 44.69,103.17 42.94,104.92 42.79,104.92 ; 45.96,103.17 46.08,103.17 v1(46.09,103.16) ; v1(40.63,104.92) 42.79,104.92 ; 42.79,104.92 42.79,107.23 ; v1(40.64,115.44) 42.79,113.29 42.79,107.23 ; 42.79,107.23 41.61,108.41 40.83,108.41 39.88,109.36 39.88,110.22 39.88,110.21 37.73,112.36 v1(37.57,112.36) ; C287.2 109.67,102.07 ; C289.2 v1(113.81,101.68) ; v1(147.92,104.25) 147.92,105.42 ; C290.2 v1(106.89,85.54)
  F.RO w0.5: 106.62,103.14 106.62,109.25 108.25,110.88 v1(108.25,112.38) 106.97,112.38 106.77,112.58 106.77,117.02 107.33,117.58 U33.2 ; v1(108.07,90.85) v1(107.49,90.85)
  F.FR4 w0.2: 70.5,102.67 69.55,102.67 69.27,102.95 ; 77.88,102.49 77.88,102.48 78.43,103.03 79.13,103.03 79.7,102.46 80.14,102.46 80.49,102.81 v1(81.1,102.81)
  F.FR4 w0.25: 70.5,102.67 70.91,102.26 73.91,102.26 v1(73.92,102.27) 73.93,102.27 ; v1(104.28,99.29) 104.28,99.67 104.64,100.03 v1(106.16,100.03) ; 73.93,102.27 74.21,102.55 ; 73.93,102.27 74.21,102.55 ; 74.21,102.55 74.85,102.55 75.48,101.92 76.37,101.92 76.94,102.49 77.88,102.49
  F.FR4 w0.3: 27.99,97.65 36.5,97.65 36.75,97.9 37.49,97.9 38.01,97.38 38.45,97.38 38.72,97.65 39.65,97.65 v1(43.23,101.23) 43.23,102.16 44.16,103.09 49.46,103.09 49.5,103.05 52.74,103.05 53.07,102.72 59.39,102.72 60.31,103.64 66.94,103.64 67.59,102.99 69.23,102.99 69.27,102.95 ; 26.38,98.79 38.67,98.79 41.1,101.22 v1(41.95,101.22) ; v1(109.32,101.84) 109.31,101.83 110.73,101.83 110.88,101.68 v1(113.81,101.68)
  F.FR4 w0.4: v1(75.46,112.78) 75.46,113.07 75.52,113.13 ; 130.49,108.54 128.14,110.89 120.84,110.89 120.31,111.42 v1(114.56,111.42) ; 46.09,103.21 v1(46.09,103.16) 46.09,103.21
  F.FR4 w0.5: 27.99,97.65 23.87,93.53 23.87,89.87 22.76,88.76 22.76,81.24 21.02,79.5 21.02,75.36 20.57,74.91 20.57,73.62 19.18,72.23 19.18,71.73 16.29,68.84 14.76,68.84 13.62,67.7 13.62,62.14 13.92,61.84 15.11,61.84 15.95,61 v1(15.95,58.31) 15.28,58.31 11.63,61.96 11.63,67 14.79,70.16 15.82,70.16 18.88,73.22 18.88,80.59 21.07,82.78 21.07,87.89 22.3,89.12 22.3,94.71 26.38,98.79 ; 76.11,113.72 75.52,113.13 75.52,112.99 75.51,112.98 ; 76.11,113.72 75.67,113.28 ; 76.11,113.72 77.66,113.72 77.76,113.82 79.88,113.82 81.17,115.11 83.72,115.11 84.47,114.36 84.85,114.36 85.31,114.82 90.53,114.82 90.74,115.03 93.87,115.03 94.63,115.79 95.06,115.79 95.31,115.54 97.43,115.54 98.24,114.73 99.7,114.73 100.12,114.31 v1(111.94,114.31) ; v1(83.22,112.87) 84.91,112.87 85.45,113.41 93.73,113.41 94.46,114.14 96.12,114.14 96.44,113.82 97.59,113.82 98.25,113.16 98.98,113.16 99.32,112.82 101.39,112.82 101.65,113.08 110.16,113.08 110.16,113.09 111.83,111.42 v1(114.56,111.42)
  B.FR4 w0.25: 104.85,96.32 104.85,97.42 105.22,97.79 105.22,98.3 104.81,98.71 104.81,99.27 104.3,99.27 v1(104.28,99.29) ; v1(73.01,104.37) 73.01,104.36 ; v1(73.01,104.37) 73.01,104.36 ; v1(73.01,104.37) 73.01,104.36
  B.FR4 w0.3: 147.91,104.25 v1(147.92,104.25) ; v1(108.25,112.38) 108.25,112.37 ; v1(113.81,101.68) 113.8,101.68 ; v1(106.16,100.03) 106.15,100.03 ; 73.01,104.36 73.92,104.36
  B.FR4 w0.4: 75.67,113.25 v1(75.91,113.49)
  B.FR4 w0.5: 106.89,90.25 v1(107.49,90.85) v1(108.07,90.85) ; 106.89,90.25 105.48,91.66 105.48,95.69 104.85,96.32 ; 106.89,90.25 v1(106.89,85.54) 106.89,85.47 107.5,84.86 107.5,82.99 106.92,82.41 v1(106.92,80.85) ; v1(83.22,112.87) 82.66,112.31 82.66,110.74 82.22,110.3 82.22,106.99 81.1,105.87 v1(81.1,104.19) v1(81.1,102.81) ; v1(111.94,114.31) 111.96,114.31 114.56,111.71 v1(114.56,111.42) ; v1(73.92,102.27) 73.92,106.96 74.88,107.92 74.88,112.2 v1(75.46,112.78) 75.67,112.99 75.67,113.28
